# KiCad board Kimiro.kicad_pcb (continued)
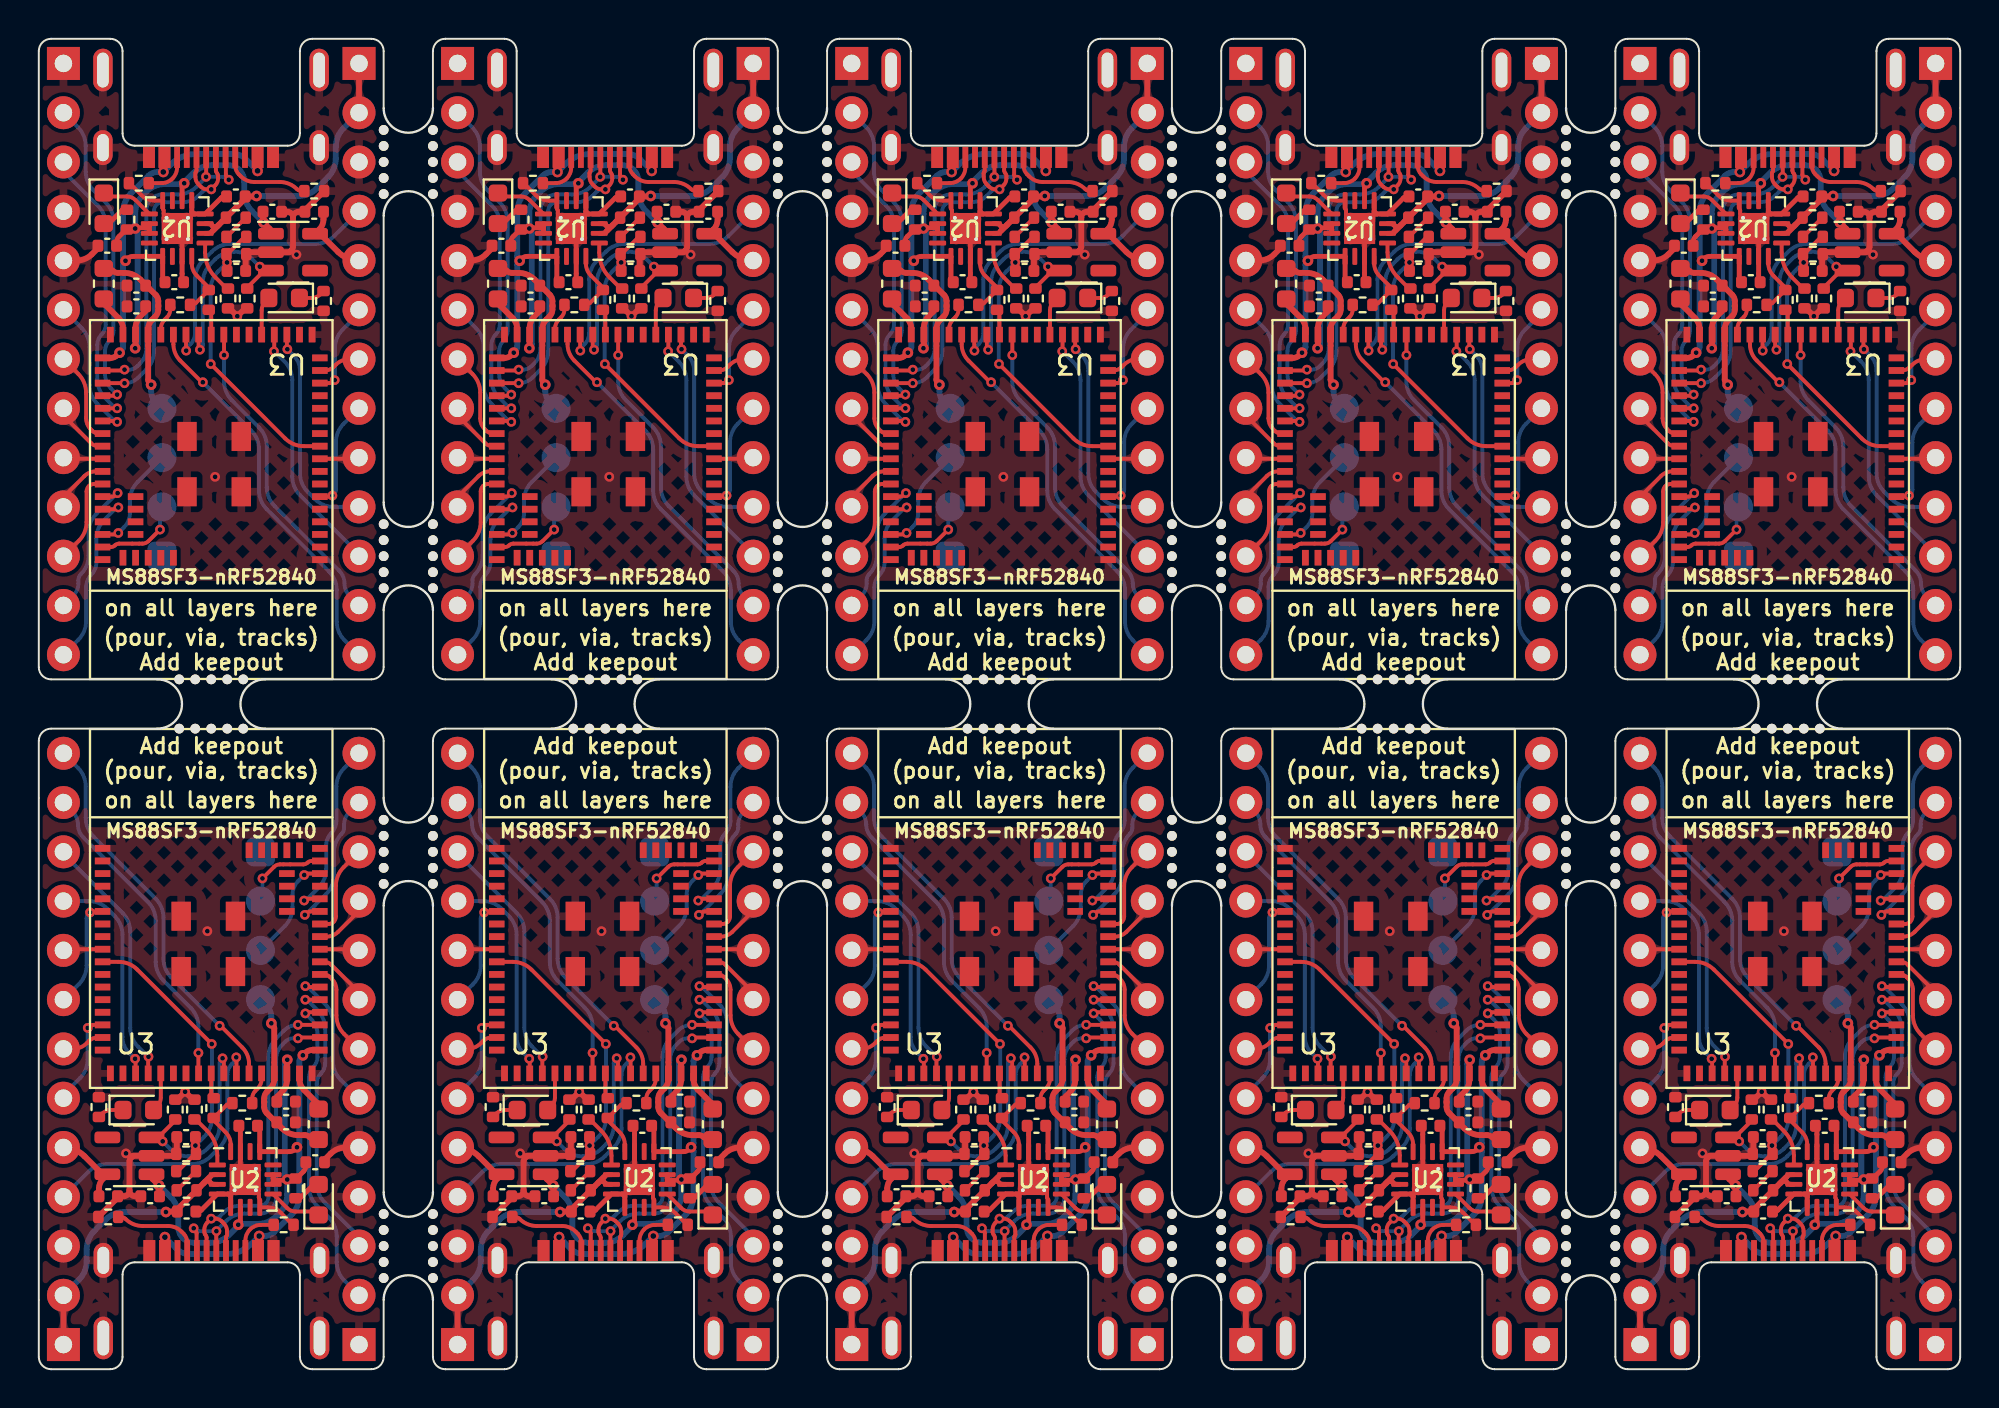
[diagram p0: board, top side]
## Routing (per net, layer and track width the routed paths; a pad name or vN(x,y) marks a point on that pad's centre or on a via; arc(x,y) is an arc through that point) (continued)
DCCH: length 22
  Top w0.3: L1#7.1 34.75,13.53 arc(34.73,13.63) 34.67,13.72 33.98,14.41 arc(33.82,14.65) 33.76,14.94 U3#4.33 ; L1#9.1 95.71,13.53 arc(95.69,13.63) 95.63,13.72 94.94,14.41 arc(94.78,14.65) 94.72,14.94 U3.33 ; L1#6.1 43.99,55.05 arc(44.01,54.95) 44.07,54.86 44.76,54.17 arc(44.92,53.93) 44.98,53.64 U3#5.33 ; L1#10.1 64.31,55.05 arc(64.33,54.95) 64.39,54.86 65.08,54.17 arc(65.24,53.93) 65.3,53.64 U3#6.33 ; U3#8.33 4.34,53.64 arc(4.28,53.93) 4.12,54.17 3.43,54.86 arc(3.37,54.95) 3.35,55.05 L1#3.1 ; L1.1 84.63,55.05 arc(84.65,54.95) 84.71,54.86 85.4,54.17 arc(85.56,53.93) 85.62,53.64 U3#2.33 ; L1#4.1 55.07,13.53 arc(55.05,13.63) 54.99,13.72 54.3,14.41 arc(54.14,14.65) 54.08,14.94 U3#3.33 ; L1#5.1 23.67,55.05 arc(23.69,54.95) 23.75,54.86 24.44,54.17 arc(24.6,53.93) 24.66,53.64 U3#10.33 ; L1#2.1 14.43,13.53 arc(14.41,13.63) 14.35,13.72 13.66,14.41 arc(13.5,14.65) 13.44,14.94 U3#9.33 ; U3#7.33 74.4,14.94 arc(74.46,14.65) 74.62,14.41 75.31,13.72 arc(75.37,13.63) 75.39,13.53 L1#8.1
LED: length 20.2
  Top w0.2: D2#8.2 26.42,13.55 arc(26.56,13.75) 26.61,13.99 U3#4.22 ; D2#10.2 67.06,13.55 arc(67.2,13.75) 67.25,13.99 U3#7.22 ; D2#5.2 32,55.03 arc(31.86,54.83) 31.81,54.59 U3#10.22 ; U3#6.22 72.45,54.59 arc(72.5,54.83) 72.64,55.03 D2.2 ; D2#4.2 46.74,13.55 arc(46.88,13.75) 46.93,13.99 U3#3.22 ; D2#3.2 11.68,55.03 arc(11.54,54.83) 11.49,54.59 U3#8.22 ; U3#9.22 6.29,13.99 arc(6.24,13.75) 6.1,13.55 D2#9.2 ; D2#6.2 52.32,55.03 arc(52.18,54.83) 52.13,54.59 U3#5.22 ; D2#2.2 87.38,13.55 arc(87.52,13.75) 87.57,13.99 U3.22 ; D2#7.2 92.96,55.03 arc(92.82,54.83) 92.77,54.59 U3#2.22
POWER_PIN: length 105.4
  Top w0.2: 72.46,56.51 72.52,56.57 arc(72.59,56.62) 72.67,56.63 U4#4.3 ; 72.46,56.51 71.65,55.7 ; 72.46,56.51 arc(72.59,56.6) 72.75,56.63 72.78,56.63 arc(72.84,56.67) 72.83,56.73 ; v3(90.75,16.03) 90.79,15.99 arc(90.81,15.96) 90.82,15.92 U3.27 ; 26.6,12.07 27.41,12.88 ; 26.6,12.07 26.54,12.01 arc(26.47,11.96) 26.39,11.95 U4#6.3 ; 26.6,12.07 arc(26.47,11.98) 26.31,11.95 26.28,11.95 arc(26.22,11.91) 26.23,11.85 ; U3#8.27 8.24,52.66 arc(8.25,52.62) 8.27,52.59 v3(8.31,52.55) ; 87.56,12.07 88.37,12.88 ; 87.56,12.07 87.5,12.01 arc(87.43,11.96) 87.35,11.95 U4#9.3 ; 87.56,12.07 arc(87.43,11.98) 87.27,11.95 87.24,11.95 arc(87.18,11.91) 87.19,11.85 ; U3#4.27 29.86,15.92 arc(29.85,15.96) 29.83,15.99 v3(29.79,16.03) ; v3(70.43,16.03) 70.47,15.99 arc(70.49,15.96) 70.5,15.92 U3#7.27 ; U3#10.27 28.56,52.66 arc(28.57,52.62) 28.59,52.59 v3(28.63,52.55) ; U4#7.3 46.71,11.95 arc(46.79,11.96) 46.86,12.01 46.92,12.07 ; v3(89.59,52.55) 89.55,52.59 arc(89.53,52.62) 89.52,52.66 U3#2.27 ; 31.82,56.51 31.88,56.57 arc(31.95,56.62) 32.03,56.63 U4#10.3 ; 31.82,56.51 31.01,55.7 ; 31.82,56.51 arc(31.95,56.6) 32.11,56.63 32.14,56.63 arc(32.2,56.67) 32.19,56.73 ; U4#2.3 11.71,56.63 arc(11.63,56.62) 11.56,56.57 11.5,56.51 ; 67.24,12.07 67.18,12.01 arc(67.11,11.96) 67.03,11.95 U4#8.3 ; 67.24,12.07 68.05,12.88 ; 67.24,12.07 arc(67.11,11.98) 66.95,11.95 66.92,11.95 arc(66.86,11.91) 66.87,11.85 ; 92.78,56.51 91.97,55.7 ; 92.78,56.51 92.84,56.57 arc(92.91,56.62) 92.99,56.63 U4#3.3 ; 92.78,56.51 arc(92.91,56.6) 93.07,56.63 93.1,56.63 arc(93.16,56.67) 93.15,56.73 ; 11.5,56.51 10.69,55.7 ; 11.5,56.51 arc(11.63,56.6) 11.79,56.63 11.82,56.63 arc(11.88,56.67) 11.87,56.73 ; v3(50.11,16.03) 50.15,15.99 arc(50.17,15.96) 50.18,15.92 U3#3.27 ; v3(9.47,16.03) 9.51,15.99 arc(9.53,15.96) 9.54,15.92 U3#9.27 ; v3(69.27,52.55) 69.23,52.59 arc(69.21,52.62) 69.2,52.66 U3#6.27 ; U3#5.27 48.88,52.66 arc(48.89,52.62) 48.91,52.59 v3(48.95,52.55) ; 46.92,12.07 47.73,12.88 ; 46.92,12.07 arc(46.79,11.98) 46.63,11.95 46.6,11.95 arc(46.54,11.91) 46.55,11.85 ; 6.28,12.07 7.09,12.88 ; 6.28,12.07 6.22,12.01 arc(6.15,11.96) 6.07,11.95 U4#5.3 ; 6.28,12.07 arc(6.15,11.98) 5.99,11.95 5.96,11.95 arc(5.9,11.91) 5.91,11.85 ; 52.14,56.51 52.2,56.57 arc(52.27,56.62) 52.35,56.63 U4.3 ; 52.14,56.51 51.33,55.7 ; 52.14,56.51 arc(52.27,56.6) 52.43,56.63 52.46,56.63 arc(52.52,56.67) 52.51,56.73
  Bottom w0.2: v3(47.03,11.74) 47.41,11.36 arc(47.84,11.07) 48.34,10.97 48.37,10.97 arc(48.89,11.08) 49.33,11.37 49.57,11.6 arc(49.86,12.04) 49.96,12.56 49.96,15.77 arc(49.98,15.87) 50.04,15.95 v3(50.11,16.03) ; v3(67.35,11.74) 67.73,11.36 arc(68.16,11.07) 68.66,10.97 68.69,10.97 arc(69.21,11.08) 69.65,11.37 69.89,11.6 arc(70.18,12.04) 70.28,12.56 70.28,15.77 arc(70.3,15.87) 70.36,15.95 v3(70.43,16.03) ; v3(11.39,56.84) 11.01,57.22 arc(10.58,57.51) 10.08,57.61 10.05,57.61 arc(9.53,57.5) 9.09,57.21 8.85,56.98 arc(8.56,56.54) 8.46,56.02 8.46,52.81 arc(8.44,52.71) 8.38,52.63 v3(8.31,52.55) ; v3(52.03,56.84) 51.65,57.22 arc(51.22,57.51) 50.72,57.61 50.69,57.61 arc(50.17,57.5) 49.73,57.21 49.49,56.98 arc(49.2,56.54) 49.1,56.02 49.1,52.81 arc(49.08,52.71) 49.02,52.63 v3(48.95,52.55) ; v3(69.27,52.55) 69.34,52.63 arc(69.4,52.71) 69.42,52.81 69.42,56.02 arc(69.52,56.54) 69.81,56.98 70.05,57.21 arc(70.49,57.5) 71.01,57.61 71.04,57.61 arc(71.54,57.51) 71.97,57.22 v3(72.35,56.84) ; v3(87.67,11.74) 88.05,11.36 arc(88.48,11.07) 88.98,10.97 89.01,10.97 arc(89.53,11.08) 89.97,11.37 90.21,11.6 arc(90.5,12.04) 90.6,12.56 90.6,15.77 arc(90.62,15.87) 90.68,15.95 v3(90.75,16.03) ; v3(89.59,52.55) 89.66,52.63 arc(89.72,52.71) 89.74,52.81 89.74,56.02 arc(89.84,56.54) 90.13,56.98 90.37,57.21 arc(90.81,57.5) 91.33,57.61 91.36,57.61 arc(91.86,57.51) 92.29,57.22 v3(92.67,56.84) ; v3(9.47,16.03) 9.4,15.95 arc(9.34,15.87) 9.32,15.77 9.32,12.56 arc(9.22,12.04) 8.93,11.6 8.69,11.37 arc(8.25,11.08) 7.73,10.97 7.7,10.97 arc(7.2,11.07) 6.77,11.36 v3(6.39,11.74) ; v3(31.71,56.84) 31.33,57.22 arc(30.9,57.51) 30.4,57.61 30.37,57.61 arc(29.85,57.5) 29.41,57.21 29.17,56.98 arc(28.88,56.54) 28.78,56.02 28.78,52.81 arc(28.76,52.71) 28.7,52.63 v3(28.63,52.55) ; v3(29.79,16.03) 29.72,15.95 arc(29.66,15.87) 29.64,15.77 29.64,12.56 arc(29.54,12.04) 29.25,11.6 29.01,11.37 arc(28.57,11.08) 28.05,10.97 28.02,10.97 arc(27.52,11.07) 27.09,11.36 v3(26.71,11.74)
RST: length 147.2
  Top w0.2: U3#5.28 48.23,52.52 arc(48.23,52.51) 48.23,52.51 v3(48.24,52.5) ; U3.28 91.47,16.06 arc(91.47,16.07) 91.47,16.07 v3(91.46,16.08) ; U3#4.28 30.51,16.06 arc(30.51,16.07) 30.51,16.07 v3(30.5,16.08) ; v3(68.56,52.5) 68.55,52.51 arc(68.55,52.51) 68.55,52.52 U3#6.28 ; v3(27.92,52.5) 27.91,52.51 arc(27.91,52.51) 27.91,52.52 U3#10.28 ; v3(7.6,52.5) 7.59,52.51 arc(7.59,52.51) 7.59,52.52 U3#8.28 ; v3(10.18,16.08) 10.19,16.07 arc(10.19,16.07) 10.19,16.06 U3#9.28 ; U3#3.28 50.83,16.06 arc(50.83,16.07) 50.83,16.07 v3(50.82,16.08) ; U3#2.28 88.87,52.52 arc(88.87,52.51) 88.87,52.51 v3(88.88,52.5) ; v3(71.14,16.08) 71.15,16.07 arc(71.15,16.07) 71.15,16.06 U3#7.28
  Bottom w0.2: J4#9.4 2.55,10.17 arc(3,10.47) 3.52,10.57 7.9,10.57 arc(8.42,10.68) 8.86,10.97 9.33,11.44 arc(9.62,11.88) 9.72,12.4 9.72,15.18 arc(9.78,15.48) 9.95,15.73 10.14,15.92 arc(10.17,15.96) 10.18,16.02 v3(10.18,16.08) ; J4#2.4 55.87,58.41 arc(55.42,58.11) 54.9,58.01 50.52,58.01 arc(50,57.9) 49.56,57.61 49.09,57.14 arc(48.8,56.7) 48.7,56.18 48.7,53.4 arc(48.64,53.1) 48.47,52.85 48.28,52.66 arc(48.25,52.62) 48.24,52.56 v3(48.24,52.5) ; v3(68.56,52.5) 68.56,52.56 arc(68.57,52.62) 68.6,52.66 68.79,52.85 arc(68.96,53.1) 69.02,53.4 69.02,56.18 arc(69.12,56.7) 69.41,57.14 69.88,57.61 arc(70.32,57.9) 70.84,58.01 75.22,58.01 arc(75.74,58.11) 76.19,58.41 J4.4 ; v3(30.5,16.08) 30.5,16.02 arc(30.49,15.96) 30.46,15.92 30.27,15.73 arc(30.1,15.48) 30.04,15.18 30.04,12.4 arc(29.94,11.88) 29.65,11.44 29.18,10.97 arc(28.74,10.68) 28.22,10.57 23.84,10.57 arc(23.32,10.47) 22.87,10.17 J4#8.4 ; J4#5.4 83.83,10.17 arc(84.28,10.47) 84.8,10.57 89.18,10.57 arc(89.7,10.68) 90.14,10.97 90.61,11.44 arc(90.9,11.88) 91,12.4 91,15.18 arc(91.06,15.48) 91.23,15.73 91.42,15.92 arc(91.45,15.96) 91.46,16.02 v3(91.46,16.08) ; v3(27.92,52.5) 27.92,52.56 arc(27.93,52.62) 27.96,52.66 28.15,52.85 arc(28.32,53.1) 28.38,53.4 28.38,56.18 arc(28.48,56.7) 28.77,57.14 29.24,57.61 arc(29.68,57.9) 30.2,58.01 34.58,58.01 arc(35.1,58.11) 35.55,58.41 J4#6.4 ; v3(50.82,16.08) 50.82,16.02 arc(50.81,15.96) 50.78,15.92 50.59,15.73 arc(50.42,15.48) 50.36,15.18 50.36,12.4 arc(50.26,11.88) 49.97,11.44 49.5,10.97 arc(49.06,10.68) 48.54,10.57 44.16,10.57 arc(43.64,10.47) 43.19,10.17 J4#10.4 ; v3(7.6,52.5) 7.6,52.56 arc(7.61,52.62) 7.64,52.66 7.83,52.85 arc(8,53.1) 8.06,53.4 8.06,56.18 arc(8.16,56.7) 8.45,57.14 8.92,57.61 arc(9.36,57.9) 9.88,58.01 14.26,58.01 arc(14.78,58.11) 15.23,58.41 J4#7.4 ; v3(88.88,52.5) 88.88,52.56 arc(88.89,52.62) 88.92,52.66 89.11,52.85 arc(89.28,53.1) 89.34,53.4 89.34,56.18 arc(89.44,56.7) 89.73,57.14 90.2,57.61 arc(90.64,57.9) 91.16,58.01 95.54,58.01 arc(96.06,58.11) 96.51,58.41 J4#4.4 ; J4#3.4 63.51,10.17 arc(63.96,10.47) 64.48,10.57 68.86,10.57 arc(69.38,10.68) 69.82,10.97 70.29,11.44 arc(70.58,11.88) 70.68,12.4 70.68,15.18 arc(70.74,15.48) 70.91,15.73 71.1,15.92 arc(71.13,15.96) 71.14,16.02 v3(71.14,16.08)
SWCLK: length 44.9
  Top w0.2: U3#2.50 84.99,42.38 arc(85.11,42.4) 85.21,42.47 arc(85.3,42.53) 85.42,42.56 86.63,42.56 arc(86.79,42.59) 86.93,42.68 v3(87.53,43.28) ; v3(11.53,25.3) 12.13,25.9 arc(12.27,25.99) 12.43,26.02 13.64,26.02 arc(13.76,26.05) 13.85,26.11 arc(13.95,26.18) 14.07,26.2 U3#9.50 ; U3.50 95.35,26.2 arc(95.23,26.18) 95.13,26.11 arc(95.04,26.05) 94.92,26.02 93.71,26.02 arc(93.55,25.99) 93.41,25.9 v3(92.81,25.3) ; v3(46.89,43.28) 46.29,42.68 arc(46.15,42.59) 45.99,42.56 44.78,42.56 arc(44.66,42.53) 44.57,42.47 arc(44.47,42.4) 44.35,42.38 U3#5.50 ; v3(72.49,25.3) 73.09,25.9 arc(73.23,25.99) 73.39,26.02 74.6,26.02 arc(74.72,26.05) 74.81,26.11 arc(74.91,26.18) 75.03,26.2 U3#7.50 ; v3(52.17,25.3) 52.77,25.9 arc(52.91,25.99) 53.07,26.02 54.28,26.02 arc(54.4,26.05) 54.49,26.11 arc(54.59,26.18) 54.71,26.2 U3#3.50 ; U3#4.50 34.39,26.2 arc(34.27,26.18) 34.17,26.11 arc(34.08,26.05) 33.96,26.02 32.75,26.02 arc(32.59,25.99) 32.45,25.9 v3(31.85,25.3) ; U3#8.50 3.71,42.38 arc(3.83,42.4) 3.93,42.47 arc(4.02,42.53) 4.14,42.56 5.35,42.56 arc(5.51,42.59) 5.65,42.68 v3(6.25,43.28) ; v3(26.57,43.28) 25.97,42.68 arc(25.83,42.59) 25.67,42.56 24.46,42.56 arc(24.34,42.53) 24.25,42.47 arc(24.15,42.4) 24.03,42.38 U3#10.50 ; U3#6.50 64.67,42.38 arc(64.79,42.4) 64.89,42.47 arc(64.98,42.53) 65.1,42.56 66.31,42.56 arc(66.47,42.59) 66.61,42.68 v3(67.21,43.28)
  Bottom w0.2: v3(87.53,43.28) 87.53,44.28 arc(87.54,44.34) 87.58,44.4 J1#5.2 ; v3(52.17,25.3) 52.17,24.3 arc(52.16,24.24) 52.12,24.18 J1#3.2 ; v3(6.25,43.28) 6.25,44.28 arc(6.26,44.34) 6.3,44.4 J1#9.2 ; v3(11.53,25.3) 11.53,24.3 arc(11.52,24.24) 11.48,24.18 J1#6.2 ; J1#7.2 46.94,44.4 arc(46.9,44.34) 46.89,44.28 v3(46.89,43.28) ; v3(26.57,43.28) 26.57,44.28 arc(26.58,44.34) 26.62,44.4 J1.2 ; v3(92.81,25.3) 92.81,24.3 arc(92.8,24.24) 92.76,24.18 J1#4.2 ; J1#2.2 67.26,44.4 arc(67.22,44.34) 67.21,44.28 v3(67.21,43.28) ; J1#8.2 72.44,24.18 arc(72.48,24.24) 72.49,24.3 v3(72.49,25.3) ; J1#10.2 31.8,24.18 arc(31.84,24.24) 31.85,24.3 v3(31.85,25.3)
SWDIO: length 55.5
  Top w0.2: v3(13.68,25.47) 13.72,25.51 arc(13.76,25.54) 13.81,25.55 U3#9.49 ; U3#7.49 74.77,25.55 arc(74.72,25.54) 74.68,25.51 v3(74.64,25.47) ; v3(54.32,25.47) 54.36,25.51 arc(54.4,25.54) 54.45,25.55 U3#3.49 ; v3(85.38,43.11) 85.34,43.07 arc(85.3,43.04) 85.25,43.03 U3#2.49 ; U3#6.49 64.93,43.03 arc(64.98,43.04) 65.02,43.07 v3(65.06,43.11) ; U3#5.49 44.61,43.03 arc(44.66,43.04) 44.7,43.07 v3(44.74,43.11) ; v3(94.96,25.47) 95,25.51 arc(95.04,25.54) 95.09,25.55 U3.49 ; U3#10.49 24.29,43.03 arc(24.34,43.04) 24.38,43.07 v3(24.42,43.11) ; v3(34,25.47) 34.04,25.51 arc(34.08,25.54) 34.13,25.55 U3#4.49 ; U3#8.49 3.97,43.03 arc(4.02,43.04) 4.06,43.07 v3(4.1,43.11)
  Bottom w0.2: J1#2.3 66.06,45.74 arc(65.76,45.3) 65.66,44.78 65.66,44.13 arc(65.58,43.74) 65.36,43.41 v3(65.06,43.11) ; v3(54.32,25.47) 54.02,25.17 arc(53.8,24.84) 53.72,24.45 53.72,23.8 arc(53.62,23.28) 53.32,22.84 J1#3.3 ; v3(34,25.47) 33.7,25.17 arc(33.48,24.84) 33.4,24.45 33.4,23.8 arc(33.3,23.28) 33,22.84 J1#10.3 ; J1#9.3 5.1,45.74 arc(4.8,45.3) 4.7,44.78 4.7,44.13 arc(4.62,43.74) 4.4,43.41 v3(4.1,43.11) ; v3(94.96,25.47) 94.66,25.17 arc(94.44,24.84) 94.36,24.45 94.36,23.8 arc(94.26,23.28) 93.96,22.84 J1#4.3 ; J1.3 25.42,45.74 arc(25.12,45.3) 25.02,44.78 25.02,44.13 arc(24.94,43.74) 24.72,43.41 v3(24.42,43.11) ; v3(74.64,25.47) 74.34,25.17 arc(74.12,24.84) 74.04,24.45 74.04,23.8 arc(73.94,23.28) 73.64,22.84 J1#8.3 ; J1#6.3 12.68,22.84 arc(12.98,23.28) 13.08,23.8 13.08,24.45 arc(13.16,24.84) 13.38,25.17 v3(13.68,25.47) ; v3(44.74,43.11) 45.04,43.41 arc(45.26,43.74) 45.34,44.13 45.34,44.78 arc(45.44,45.3) 45.74,45.74 J1#7.3 ; v3(85.38,43.11) 85.68,43.41 arc(85.9,43.74) 85.98,44.13 85.98,44.78 arc(86.08,45.3) 86.38,45.74 J1#5.3
Net-(D1-Pad1): length 27.5
  Top w0.2: D1#6.1 3.44,60.54 arc(3.54,60.48) 3.66,60.45 4.54,60.45 arc(4.78,60.41) 4.98,60.27 U2#3.9 ; U2#9.9 86.26,60.27 arc(86.06,60.41) 85.82,60.45 84.94,60.45 arc(84.82,60.48) 84.72,60.54 D1#9.1 ; U2#7.9 73.76,8.31 arc(73.96,8.17) 74.2,8.13 75.08,8.13 arc(75.2,8.1) 75.3,8.04 D1#2.1 ; D1#10.1 54.98,8.04 arc(54.88,8.1) 54.76,8.13 53.88,8.13 arc(53.64,8.17) 53.44,8.31 U2#4.9 ; D1.1 44.08,60.54 arc(44.18,60.48) 44.3,60.45 45.18,60.45 arc(45.42,60.41) 45.62,60.27 U2#10.9 ; U2#6.9 12.8,8.31 arc(13,8.17) 13.24,8.13 14.12,8.13 arc(14.24,8.1) 14.34,8.04 D1#5.1 ; D1#4.1 34.66,8.04 arc(34.56,8.1) 34.44,8.13 33.56,8.13 arc(33.32,8.17) 33.12,8.31 U2#2.9 ; U2#8.9 65.94,60.27 arc(65.74,60.41) 65.5,60.45 64.62,60.45 arc(64.5,60.48) 64.4,60.54 D1#8.1 ; D1#7.1 23.76,60.54 arc(23.86,60.48) 23.98,60.45 24.86,60.45 arc(25.1,60.41) 25.3,60.27 U2#5.9 ; U2.9 94.08,8.31 arc(94.28,8.17) 94.52,8.13 95.4,8.13 arc(95.52,8.1) 95.62,8.04 D1#3.1
Net-(D1-Pad2): length 14.9
  Top w0.25: 94.51,8.76 94.6,8.76 arc(94.68,8.78) 94.75,8.82 95.36,9.44 arc(95.46,9.5) 95.58,9.53 D1#3.2 ; D1.2 44.12,59.05 arc(44.24,59.08) 44.34,59.14 44.95,59.76 arc(45.02,59.8) 45.1,59.82 45.19,59.82 ; D1#5.2 14.3,9.53 arc(14.18,9.5) 14.08,9.44 13.47,8.82 arc(13.4,8.78) 13.32,8.76 13.23,8.76 ; 85.83,59.82 85.74,59.82 arc(85.66,59.8) 85.59,59.76 84.98,59.14 arc(84.88,59.08) 84.76,59.05 D1#9.2 ; D1#8.2 64.44,59.05 arc(64.56,59.08) 64.66,59.14 65.27,59.76 arc(65.34,59.8) 65.42,59.82 65.51,59.82 ; D1#4.2 34.62,9.53 arc(34.5,9.5) 34.4,9.44 33.79,8.82 arc(33.72,8.78) 33.64,8.76 33.55,8.76 ; 53.87,8.76 53.96,8.76 arc(54.04,8.78) 54.11,8.82 54.72,9.44 arc(54.82,9.5) 54.94,9.53 D1#10.2 ; D1#7.2 23.8,59.05 arc(23.92,59.08) 24.02,59.14 24.63,59.76 arc(24.7,59.8) 24.78,59.82 24.87,59.82 ; 4.55,59.82 4.46,59.82 arc(4.38,59.8) 4.31,59.76 3.7,59.14 arc(3.6,59.08) 3.48,59.05 D1#6.2 ; D1#2.2 75.26,9.53 arc(75.14,9.5) 75.04,9.44 74.43,8.82 arc(74.36,8.78) 74.28,8.76 74.19,8.76
Net-(D2-Pad1): length 13.7
  Top w0.2: D2#9.1 3.71,13.36 arc(3.48,13.31) 3.28,13.18 R11#7.2 ; R11#4.2 64.24,13.18 arc(64.44,13.31) 64.67,13.36 D2#10.1 ; D2#7.1 95.35,55.22 arc(95.58,55.27) 95.78,55.4 R11#2.2 ; R11#6.2 43.92,13.18 arc(44.12,13.31) 44.35,13.36 D2#4.1 ; D2#2.1 84.99,13.36 arc(84.76,13.31) 84.56,13.18 R11.2 ; R11#3.2 23.6,13.18 arc(23.8,13.31) 24.03,13.36 D2#8.1 ; D2.1 75.03,55.22 arc(75.26,55.27) 75.46,55.4 R11#9.2 ; R11#8.2 55.14,55.4 arc(54.94,55.27) 54.71,55.22 D2#6.1 ; R11#10.2 34.82,55.4 arc(34.62,55.27) 34.39,55.22 D2#5.1 ; D2#3.1 14.07,55.22 arc(14.3,55.27) 14.5,55.4 R11#5.2
Net-(J2-PadA5): length 43.7
  Top w0.2: R1#8.1 33.87,60.73 arc(33.74,60.76) 33.63,60.83 arc(33.22,61.1) 32.74,61.2 31.44,61.2 arc(31.06,61.27) 30.74,61.49 30.63,61.6 arc(30.5,61.8) 30.45,62.04 30.45,62.29 ; 91.41,62.29 91.41,62.04 arc(91.46,61.8) 91.59,61.6 91.7,61.49 arc(92.02,61.27) 92.4,61.2 93.7,61.2 arc(94.18,61.1) 94.59,60.83 arc(94.7,60.76) 94.83,60.73 R1#5.1 ; R1#3.1 65.19,7.85 arc(65.32,7.82) 65.43,7.75 arc(65.84,7.48) 66.32,7.38 67.62,7.38 arc(68,7.31) 68.32,7.09 68.43,6.98 arc(68.56,6.78) 68.61,6.54 68.61,6.29 ; R1.1 24.55,7.85 arc(24.68,7.82) 24.79,7.75 arc(25.2,7.48) 25.68,7.38 26.98,7.38 arc(27.36,7.31) 27.68,7.09 27.79,6.98 arc(27.92,6.78) 27.97,6.54 27.97,6.29 ; R1#7.1 44.87,7.85 arc(45,7.82) 45.11,7.75 arc(45.52,7.48) 46,7.38 47.3,7.38 arc(47.68,7.31) 48,7.09 48.11,6.98 arc(48.24,6.78) 48.29,6.54 48.29,6.29 ; R1#6.1 85.51,7.85 arc(85.64,7.82) 85.75,7.75 arc(86.16,7.48) 86.64,7.38 87.94,7.38 arc(88.32,7.31) 88.64,7.09 88.75,6.98 arc(88.88,6.78) 88.93,6.54 88.93,6.29 ; R1#4.1 54.19,60.73 arc(54.06,60.76) 53.95,60.83 arc(53.54,61.1) 53.06,61.2 51.76,61.2 arc(51.38,61.27) 51.06,61.49 50.95,61.6 arc(50.82,61.8) 50.77,62.04 50.77,62.29 ; 10.13,62.29 10.13,62.04 arc(10.18,61.8) 10.31,61.6 10.42,61.49 arc(10.74,61.27) 11.12,61.2 12.42,61.2 arc(12.9,61.1) 13.31,60.83 arc(13.42,60.76) 13.55,60.73 R1#2.1 ; R1#9.1 74.51,60.73 arc(74.38,60.76) 74.27,60.83 arc(73.86,61.1) 73.38,61.2 72.08,61.2 arc(71.7,61.27) 71.38,61.49 71.27,61.6 arc(71.14,61.8) 71.09,62.04 71.09,62.29 ; R1#10.1 4.23,7.85 arc(4.36,7.82) 4.47,7.75 arc(4.88,7.48) 5.36,7.38 6.66,7.38 arc(7.04,7.31) 7.36,7.09 7.47,6.98 arc(7.6,6.78) 7.65,6.54 7.65,6.29
Net-(J2-PadB5): length 22.8
  Top w0.2: 27.45,62.29 27.45,61.95 arc(27.39,61.64) 27.21,61.38 arc(26.95,61.2) 26.64,61.14 25.99,61.14 ; 7.13,62.29 7.13,61.95 arc(7.07,61.64) 6.89,61.38 arc(6.63,61.2) 6.32,61.14 5.67,61.14 ; 68.09,62.29 68.09,61.95 arc(68.03,61.64) 67.85,61.38 arc(67.59,61.2) 67.28,61.14 66.63,61.14 ; 93.39,7.44 92.74,7.44 arc(92.43,7.38) 92.17,7.2 arc(91.99,6.94) 91.93,6.63 91.93,6.29 ; 88.41,62.29 88.41,61.95 arc(88.35,61.64) 88.17,61.38 arc(87.91,61.2) 87.6,61.14 86.95,61.14 ; 71.61,6.29 71.61,6.63 arc(71.67,6.94) 71.85,7.2 arc(72.11,7.38) 72.42,7.44 73.07,7.44 ; 47.77,62.29 47.77,61.95 arc(47.71,61.64) 47.53,61.38 arc(47.27,61.2) 46.96,61.14 46.31,61.14 ; 30.97,6.29 30.97,6.63 arc(31.03,6.94) 31.21,7.2 arc(31.47,7.38) 31.78,7.44 32.43,7.44 ; 10.65,6.29 10.65,6.63 arc(10.71,6.94) 10.89,7.2 arc(11.15,7.38) 11.46,7.44 12.11,7.44 ; 51.29,6.29 51.29,6.63 arc(51.35,6.94) 51.53,7.2 arc(51.79,7.38) 52.1,7.44 52.75,7.44
  Top w0.25: 10.64,6.3 10.64,6.29 arc(10.65,6.29) 10.65,6.29 ; 47.78,62.28 47.78,62.29 arc(47.77,62.29) 47.77,62.29 ; 91.92,6.3 91.92,6.29 arc(91.93,6.29) 91.93,6.29 ; 88.42,62.28 88.42,62.29 arc(88.41,62.29) 88.41,62.29 ; 51.28,6.3 51.28,6.29 arc(51.29,6.29) 51.29,6.29 ; 71.6,6.3 71.6,6.29 arc(71.61,6.29) 71.61,6.29 ; 7.14,62.28 7.14,62.29 arc(7.13,62.29) 7.13,62.29 ; 27.46,62.28 27.46,62.29 arc(27.45,62.29) 27.45,62.29 ; 68.1,62.28 68.1,62.29 arc(68.09,62.29) 68.09,62.29 ; 30.96,6.3 30.96,6.29 arc(30.97,6.29) 30.97,6.29
Net-(R3-Pad1): length 29.3
  Top w0.2: 8.08,12.75 8.08,12.73 ; R3.1 50.33,55.7 49.74,56.29 arc(49.35,56.87) 49.21,57.56 U2#10.1 49.23,58.04 ; 90.88,55.7 90.98,55.7 ; 9.19,10.54 U2#6.1 9.21,11.02 arc(9.07,11.71) 8.68,12.29 8.09,12.88 R3#8.1 ; R3#6.1 48.73,12.88 49.32,12.29 arc(49.71,11.71) 49.85,11.02 U2#4.1 49.83,10.54 ; R3#9.1 89.37,12.88 89.96,12.29 arc(90.35,11.71) 90.49,11.02 U2.1 90.47,10.54 ; 69.04,12.75 69.04,12.73 ; 8.59,58.04 U2#3.1 8.57,57.56 arc(8.71,56.87) 9.1,56.29 9.69,55.7 R3#7.1 ; 29.51,10.54 U2#2.1 29.53,11.02 arc(29.39,11.71) 29,12.29 28.41,12.88 R3#4.1 ; 90.98,55.83 90.98,55.85 ; 28.4,12.75 28.4,12.73 ; 70.15,10.54 U2#7.1 70.17,11.02 arc(70.03,11.71) 69.64,12.29 69.05,12.88 R3#3.1 ; 50.24,55.7 50.34,55.7 ; 9.7,55.83 9.7,55.85 ; 30.02,55.83 30.02,55.85 ; 28.5,12.88 28.4,12.88 ; 89.46,12.88 89.36,12.88 ; R3#5.1 90.97,55.7 90.38,56.29 arc(89.99,56.87) 89.85,57.56 U2#9.1 89.87,58.04 ; 89.36,12.75 89.36,12.73 ; 70.66,55.83 70.66,55.85 ; 50.34,55.83 50.34,55.85 ; 48.72,12.75 48.72,12.73 ; 69.14,12.88 69.04,12.88 ; 48.82,12.88 48.72,12.88 ; 28.91,58.04 U2#5.1 28.89,57.56 arc(29.03,56.87) 29.42,56.29 30.01,55.7 R3#2.1 ; 8.18,12.88 8.08,12.88 ; 70.56,55.7 70.66,55.7 ; 29.92,55.7 30.02,55.7 ; 69.55,58.04 U2#8.1 69.53,57.56 arc(69.67,56.87) 70.06,56.29 70.65,55.7 R3#10.1 ; 9.6,55.7 9.7,55.7
Net-(R4-Pad2): length 33
  Top w0.2: U2#2.16 30.21,11.58 arc(30.15,11.92) 29.95,12.21 29.38,12.78 arc(29.35,12.83) 29.34,12.89 arc(29.35,12.95) 29.38,13 30,13.61 arc(30.08,13.67) 30.19,13.69 30.3,13.69 ; 28.12,54.89 28.23,54.89 arc(28.34,54.91) 28.42,54.97 29.04,55.58 arc(29.07,55.63) 29.08,55.69 arc(29.07,55.75) 29.04,55.8 28.47,56.37 arc(28.27,56.66) 28.21,57 U2#5.16 ; 68.76,54.89 68.87,54.89 arc(68.98,54.91) 69.06,54.97 69.68,55.58 arc(69.71,55.63) 69.72,55.69 arc(69.71,55.75) 69.68,55.8 69.11,56.37 arc(68.91,56.66) 68.85,57 U2#8.16 ; 91.26,13.69 91.15,13.69 arc(91.04,13.67) 90.96,13.61 90.34,13 arc(90.31,12.95) 90.3,12.89 arc(90.31,12.83) 90.34,12.78 90.91,12.21 arc(91.11,11.92) 91.17,11.58 U2.16 ; U2#10.16 48.53,57 arc(48.59,56.66) 48.79,56.37 49.36,55.8 arc(49.39,55.75) 49.4,55.69 arc(49.39,55.63) 49.36,55.58 48.74,54.97 arc(48.66,54.91) 48.55,54.89 48.44,54.89 ; 70.94,13.69 70.83,13.69 arc(70.72,13.67) 70.64,13.61 70.02,13 arc(69.99,12.95) 69.98,12.89 arc(69.99,12.83) 70.02,12.78 70.59,12.21 arc(70.79,11.92) 70.85,11.58 U2#7.16 ; U2#6.16 9.89,11.58 arc(9.83,11.92) 9.63,12.21 9.06,12.78 arc(9.03,12.83) 9.02,12.89 arc(9.03,12.95) 9.06,13 9.68,13.61 arc(9.76,13.67) 9.87,13.69 9.98,13.69 ; U2#3.16 7.89,57 arc(7.95,56.66) 8.15,56.37 8.72,55.8 arc(8.75,55.75) 8.76,55.69 arc(8.75,55.63) 8.72,55.58 8.1,54.97 arc(8.02,54.91) 7.91,54.89 7.8,54.89 ; U2#9.16 89.17,57 arc(89.23,56.66) 89.43,56.37 90,55.8 arc(90.03,55.75) 90.04,55.69 arc(90.03,55.63) 90,55.58 89.38,54.97 arc(89.3,54.91) 89.19,54.89 89.08,54.89 ; 50.62,13.69 50.51,13.69 arc(50.4,13.67) 50.32,13.61 49.7,13 arc(49.67,12.95) 49.66,12.89 arc(49.67,12.83) 49.7,12.78 50.27,12.21 arc(50.47,11.92) 50.53,11.58 U2#4.16
Net-(R7-Pad2): length 14.3
  Top w0.2: 69.06,10.24 69.06,10.23 arc(69.06,10.22) 69.06,10.21 R7#6.2 ; R7#3.2 28.42,10.21 arc(28.42,10.22) 28.42,10.23 28.42,10.24 ; R7#8.2 89.38,10.21 arc(89.38,10.22) 89.38,10.23 89.38,10.24 ; 90.96,58.34 90.96,58.35 arc(90.96,58.36) 90.96,58.37 R7#10.2 ; R7#7.2 30,58.37 arc(30,58.36) 30,58.35 30,58.34 ; R7#4.2 50.32,58.37 arc(50.32,58.36) 50.32,58.35 50.32,58.34 ; R7#9.2 48.74,10.21 arc(48.74,10.22) 48.74,10.23 48.74,10.24 ; R7.2 9.68,58.37 arc(9.68,58.36) 9.68,58.35 9.68,58.34 ; R7#2.2 8.1,10.21 arc(8.1,10.22) 8.1,10.23 8.1,10.24 ; R7#5.2 70.64,58.37 arc(70.64,58.36) 70.64,58.35 70.64,58.34
